# KiCad board FrontEnd_5G.kicad_pcb (continued)
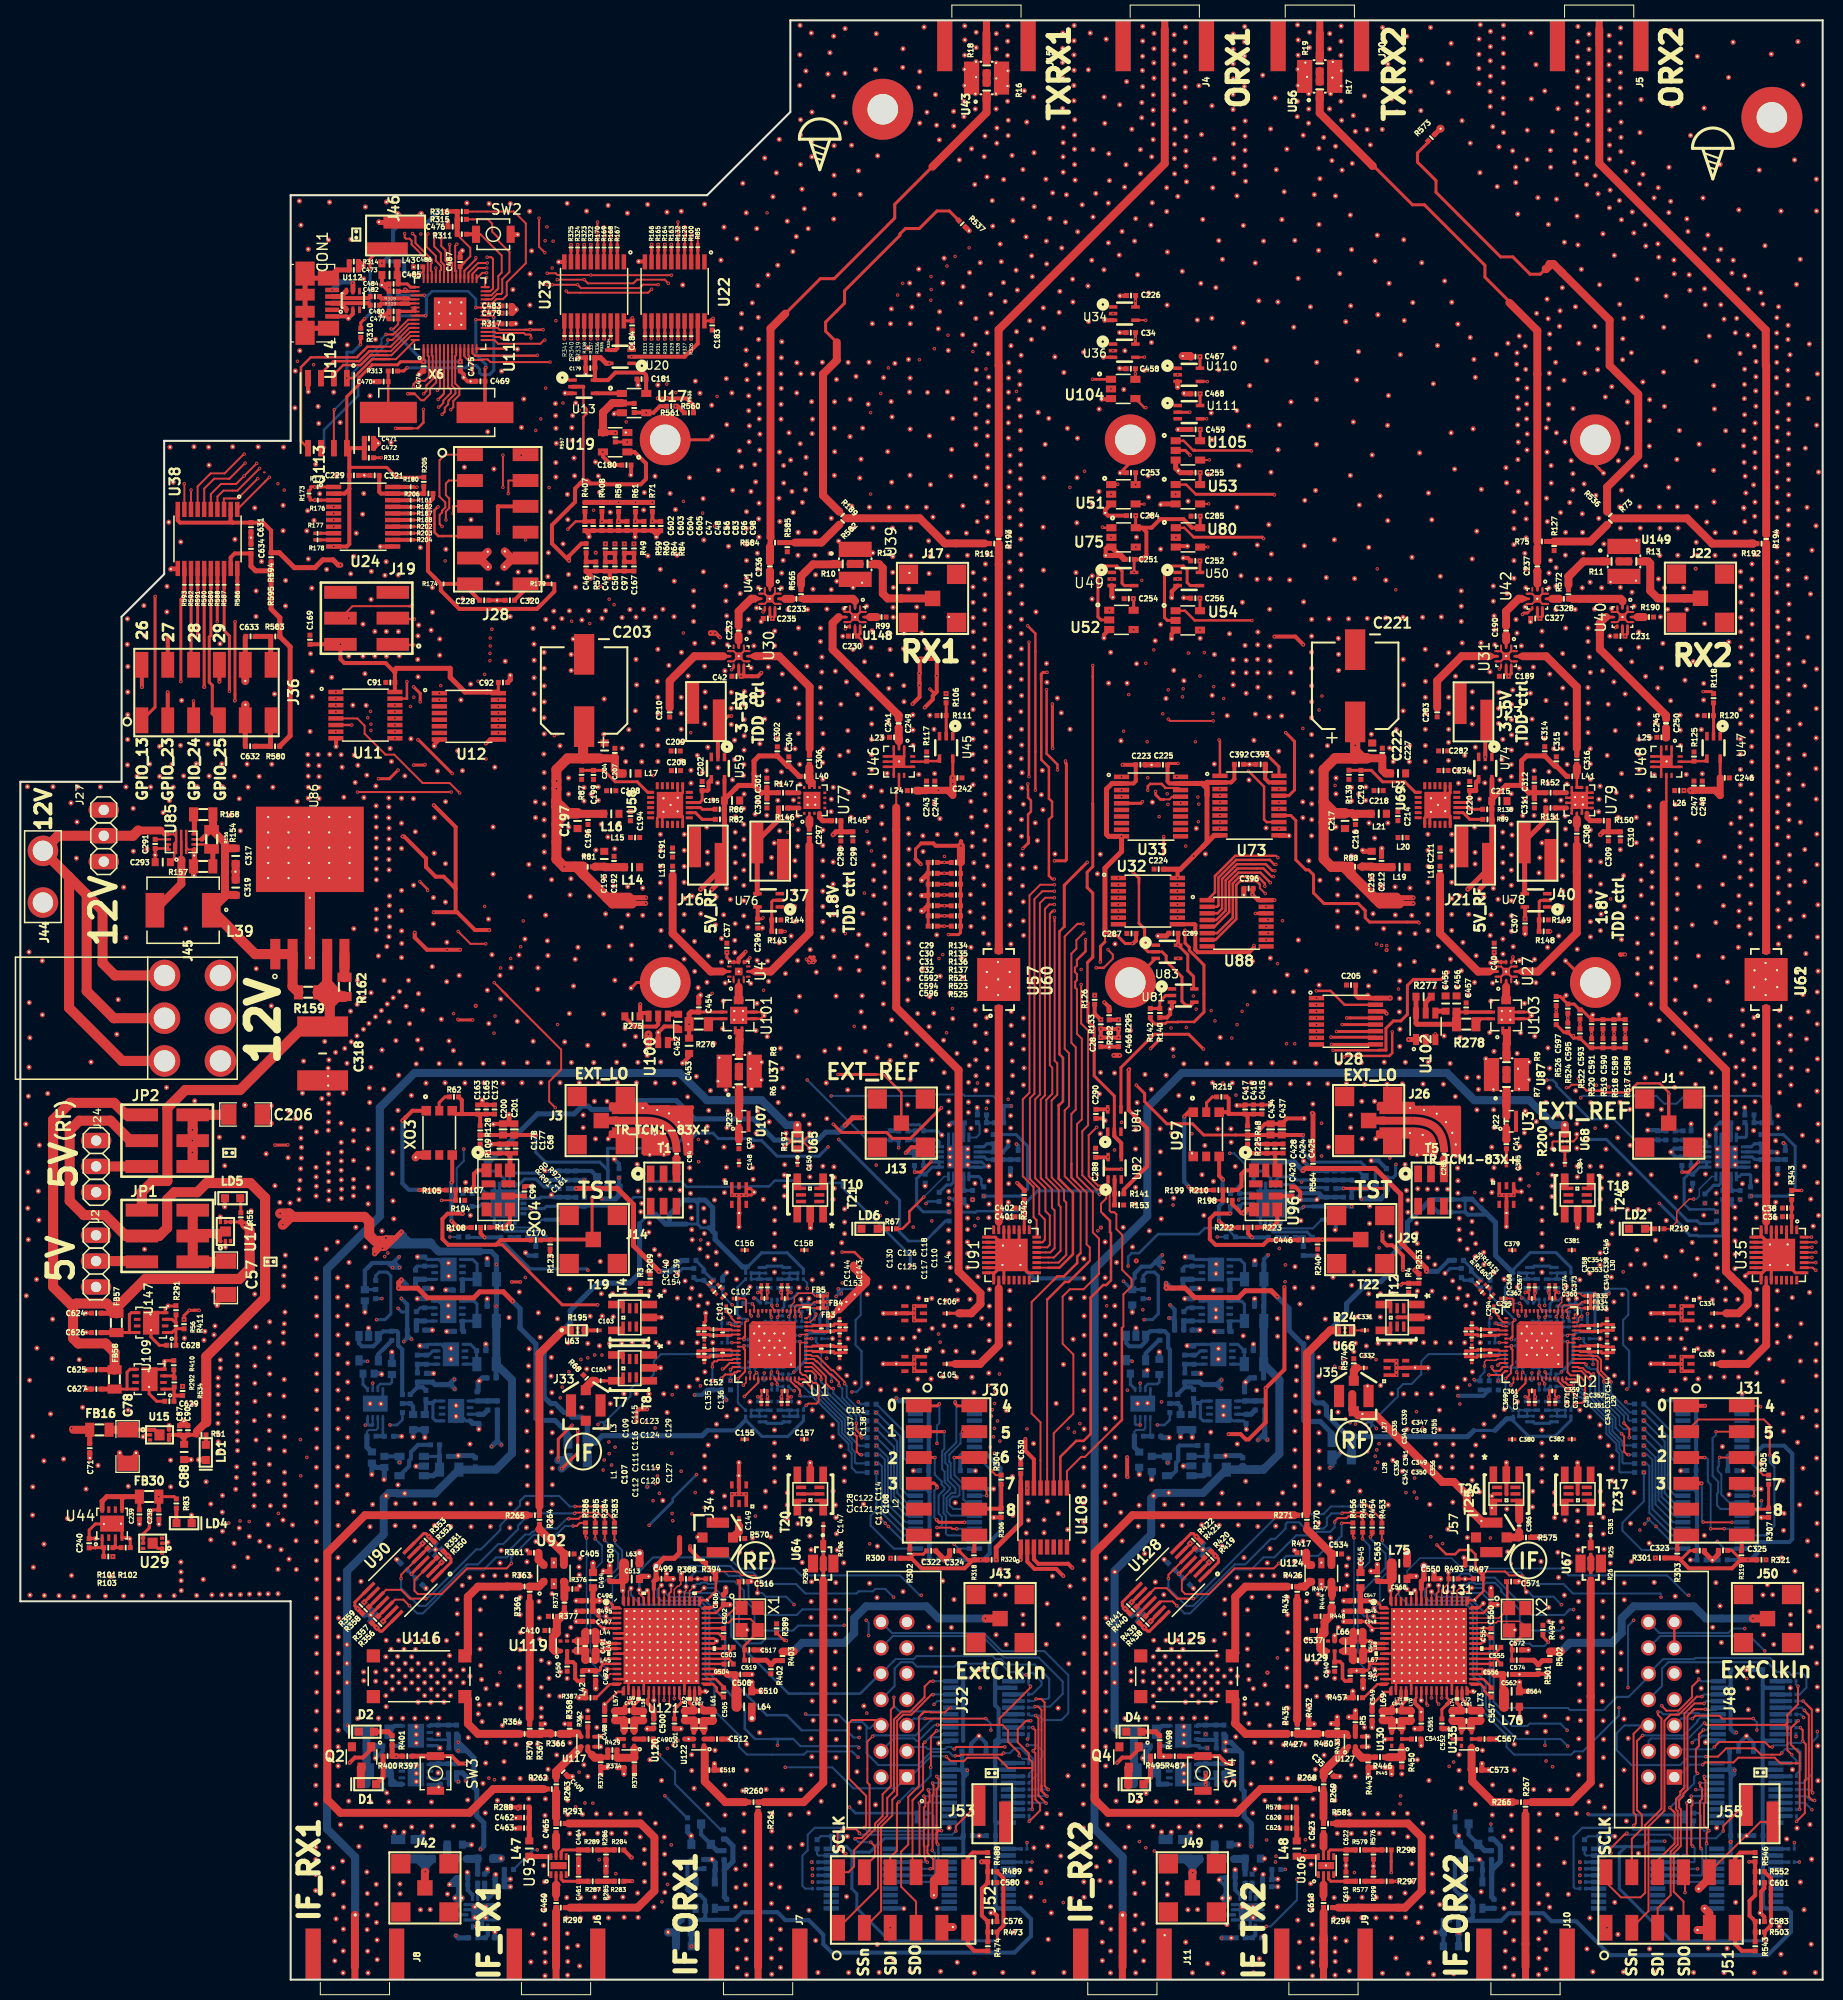
[diagram p0: board, top side]
## Routing (per net, layer and track width the routed paths; a pad name or vN(x,y) marks a point on that pad's centre or on a via; arc(x,y) is an arc through that point) (continued)
/RF/PA2_B_ON\off_3V3: length 29.8
  F.RO w0.2: v1(117.92,114.43) U73.7 ; U80.4 v1(116.73,140.81)
  B.FR4 w0.2: v1(117.92,114.43) 116.88,114.43 116.43,114.88 116.43,121.18 116.66,121.41 116.66,121.91 116.17,122.4 116.17,127.4 116.63,127.86 116.63,128.24 115.83,129.04 115.83,130.9 116.04,131.11 116.32,131.11 116.56,131.35 116.56,134.99 116.84,135.27 116.84,140.7 v1(116.73,140.81)
/RF/PA2_B_ON\off_5V: length 37.3
  F.RO w0.3: 132.01,105.27 131.51,105.77 128.16,105.77 127.12,106.81 127.12,108.6 126.64,109.08 126.37,109.08 125.38,110.07 125.38,113.93 124.89,114.43 U73.14 ; 132.01,105.27 132.2,105.08 ; 132.01,105.27 132.2,105.08 ; v1(150.42,103.03) 150.42,103.03 R148.2 ; v1(137.49,103.87) 137.41,103.95 132.63,103.95 132.2,104.38 132.2,105.08
  F.FR4 w0.25: v1(150.42,103.03) 150.42,102.68 149.89,102.15 147.31,102.15 147.14,102.32 146.52,102.32 145.8,103.04 145.26,103.04 144.43,103.87 v1(137.49,103.87)
  B.FR4 w0.3: v1(137.49,103.87) 137.49,103.88 ; v1(137.49,103.87) 137.49,103.88 ; v1(137.49,103.87) 137.49,103.88 ; v1(137.49,103.87) 137.82,103.87 137.83,103.88 137.49,103.88
/RF/PA2_CPL_D0_3V3: length 99.9
  F.RO w0.2: v2(176.07,72.98) U35.32 ; v1(123.62,110.29) 123.44,110.47 123.19,110.47
  F.RO w0.25: 123.19,110.47 119.43,110.47 117.43,108.47 117.43,106.87 U88.1
  F.RO w0.3: R518.1 v1(156.66,93) C589.2
  F.FR4 w0.2: 152.54,92.3 152.54,92.33 152.54,92.3 ; 152.54,92.3 153.24,91.6 153.93,91.6 155.6,89.93 157.43,89.93 v2(158.24,89.12) 158.49,89.12 161.35,86.26 161.46,86.26 ; v1(123.62,110.29) 124.29,110.29 125.51,109.07 127.61,109.07 129.34,107.34 129.65,107.34 129.65,107.42 130.75,106.31 ; v2(176.07,72.98) 174.6,72.98
  F.FR4 w0.25: 134.66,94.41 135.07,94.41 ; 134.66,94.41 133.91,94.41 133.54,94.78 133.54,95.41 134.05,95.92 134.05,97.15 134.82,97.92 134.82,99.76 133.93,100.65 133.53,100.65 132.6,101.58 132.6,101.89 132.39,102.1 132.39,104.16 132.4,104.16 132.31,104.25 132.31,105.37 131.97,105.71 ; 134.66,94.41 135.7,94.41 136.5,95.21 143.25,95.21 143.77,95.73 143.77,96.52 143.99,96.74 149.1,96.74 149.68,96.16 149.68,94.82 152.2,92.3 152.54,92.3 ; 161.46,86.26 162.99,84.73 162.99,80.09 162.43,79.53 162.43,79.06 163.25,78.24 165.01,78.24 166.12,77.13 166.12,75.07 168.02,73.17 171,73.17 171.19,72.98 174.6,72.98 ; 130.75,106.31 131.17,105.9
  F.FR4 w0.3: 131.97,105.71 131.36,105.71 131.17,105.9
  B.FR4 w0.2: 156.66,92.94 v1(156.66,93) 156.66,90.56 158.1,89.12 v2(158.24,89.12)
/RF/PA2_CPL_D1_3V3: length 100.3
  F.RO w0.2: v2(176.51,72.48) U35.31
  F.RO w0.25: v1(123.43,109.61) 123.27,109.61 122.82,110.06 119.51,110.06 117.78,108.33 117.78,105.59 117.65,105.46 U88.2
  F.RO w0.3: R519.1 v1(155.57,92.97) C590.2
  F.FR4 w0.2: v2(176.51,72.48) 174.91,72.48 174.08,71.65 171.37,71.65 170.97,72.05 169.1,72.05 ; 152.06,91.95 152.35,91.95 153.09,91.21 153.81,91.21 155.54,89.48 156.16,89.48 156.8,88.84 157.44,88.84 v2(158,88.28) 158.25,88.28 160.52,86.01 160.52,79.79 ; 131.96,103.57 129.57,105.96 128.7,105.96 126.5,108.16 125.45,108.16 124,109.61 v1(123.43,109.61)
  F.FR4 w0.25: 160.52,79.79 162.12,78.19 ; 169.11,72.05 168.04,72.05 167,73.09 166.08,73.09 165.59,73.58 165.59,74.09 165.12,74.56 164.61,74.56 164.31,74.86 ; 152.06,91.95 149.18,94.83 149.18,95.14 148.99,95.33 147.57,95.33 146.76,96.14 145.55,96.14 144.71,95.3 144.2,95.3 143.4,94.5 136.51,94.5 136.05,94.04 134.18,94.04 133.94,93.8 133.27,93.8 132.98,94.09 132.98,95.56 133.62,96.2 133.62,97.68 133.86,97.93 133.86,99.5 131.96,101.4 131.96,103.57
  F.FR4 w0.3: 164.31,74.86 164.31,74.87 163.48,75.7 163.48,77.3 163.16,77.62 162.69,77.62 162.12,78.19
  B.FR4 w0.2: v1(155.57,92.97) 155.57,90.4 157,88.97 157.31,88.97 v2(158,88.28)
/RF/PA2_CPL_D2_3V3: length 103.7
  F.RO w0.2: v2(176.11,71.98) U35.30 ; v1(123.32,109) 123.07,109 123.01,109.06
  F.RO w0.25: 123.01,109.06 122.43,109.64 119.59,109.64 118.13,108.18 118.13,105.26 117.68,104.81 U88.3
  F.RO w0.3: R520.1 v1(154.46,92.98) C591.2
  F.FR4 w0.2: 132.44,98.56 132.32,98.68 132.32,100.55 131.07,101.8 131.07,102.41 130.35,103.13 130.35,103.6 129.42,104.53 129.06,104.53 126.04,107.55 125.42,107.55 124.25,108.72 123.95,108.72 123.67,109 v1(123.32,109) ; 152.02,91.6 152.02,91.61 152.03,91.6 152.06,91.6 152.78,90.88 153.61,90.88 155.37,89.12 155.56,89.12 156.39,88.3 v2(156.7,88.3) 157.18,88.3 158.8,86.68 158.8,85.1 159.47,84.43 159.47,83.92 159.24,83.69 159.24,83.33 159.47,83.1 159.47,78.92 160.04,78.35 160.47,78.35 162.14,76.68 162.14,75.93 164.03,74.04 164.03,73.44 164.35,73.12 164.76,73.12 165.49,72.39 165.49,71.06 166,70.55 168.47,70.55 168.62,70.7 171.47,70.7 172.12,71.35 175.36,71.35 175.99,71.98 v2(176.11,71.98) ; 136.87,93.17 137.51,92.53 137.51,92.05 137.98,91.58 138.8,91.58 139.11,91.89 141.37,91.89 141.81,91.45 142.04,91.45 142.08,91.49 142.08,92.16
  F.FR4 w0.25: 142.08,92.16 143.57,93.64 ; 143.57,93.64 144.06,94.14 ; 143.57,93.64 144.06,94.14 ; 144.06,94.14 144.75,94.14 145.27,93.62 146.66,93.62 147.09,94.05 149.1,94.05 151.55,91.6 152.02,91.6 ; 136.87,93.17 136.23,93.17 135.61,92.55 134.63,92.55 134.27,92.91 132.81,92.91 132.41,93.31 132.41,95.62 133.14,96.35 133.14,98.17 132.75,98.56 132.44,98.56
  B.FR4 w0.2: v1(154.46,92.98) 154.46,90.29 156.45,88.3 v2(156.7,88.3)
/RF/PA2_CPL_D3_3V3: length 106.7
  F.RO w0.2: v2(176.5,71.49) 176.49,71.48 U35.29 ; v1(123.19,108.42) 122.99,108.42 122.78,108.64
  F.RO w0.25: 122.78,108.64 122.19,109.22 119.66,109.22 118.48,108.04 118.48,105.08 117.56,104.16 U88.4
  F.RO w0.3: R522.1 v1(153.31,93.93) C593.2
  F.FR4 w0.15: 133.43,91.81 134.03,91.21
  F.FR4 w0.2: 133.43,91.81 132.57,91.81 131.97,92.41 131.97,100.4 129.42,102.96 129.13,102.96 126.67,105.42 126.67,105.7 124.13,108.24 123.37,108.24 v1(123.19,108.42) ; v2(176.5,71.49) 175.93,71.49 175.1,70.66 174.62,70.66 174.23,71.05 173.61,71.05 172.91,70.35 ; 151.84,91.25 151.84,91.24 151.85,91.25 151.86,91.25 152.61,90.5 153.02,90.5 155.06,88.46 155.43,88.46 v2(156.14,87.75) 156.8,87.75 157.47,87.08 157.47,87.09 157.95,86.61 157.95,86.09 157.61,85.75 157.61,85.11 158.67,84.05 158.67,82.6 ; 134.03,91.21 138.88,91.21 139.23,91.56 141.28,91.56 141.76,91.08 142.32,91.08 142.41,91.17 142.41,91.99 143.57,93.15 143.57,93.15 ; 158.93,82.34 158.93,81.56 158.67,81.3 158.67,79.79 158.88,79.58 158.88,78.49 158.96,78.41 158.96,78.42 160.65,76.73 160.65,76.03 160.85,75.83 160.85,74.47 161.52,73.8 162.07,73.8 164.07,71.8 164.07,70.73 165.61,69.19 167.65,69.19 168.27,68.57 171.13,68.57 171.86,69.3
  F.FR4 w0.25: 151.84,91.25 151.41,91.25 149.3,93.37 148.25,93.37 148.01,93.61 147.19,93.61 146.85,93.27 145.13,93.27 144.62,93.78 144.2,93.78 143.57,93.15 ; 158.67,82.6 158.93,82.34 ; 172.91,70.35 172.91,69.61 172.6,69.3 171.86,69.3
  B.FR4 w0.2: v1(153.31,93.93) 153.31,90.46 156.02,87.75 v2(156.14,87.75)
/RF/PA2_CPL_D4_3V3: length 106.5
  F.RO w0.2: v2(176.12,70.98) U35.28 ; 122.87,107.83 v1(122.87,107.82)
  F.RO w0.25: 116.66,103.5 117.4,103.5 118.83,104.94 118.83,107.89 119.75,108.81 121.89,108.81 122.87,107.83
  F.RO w0.3: R524.1 v1(152.12,94.53) C595.2
  F.FR4 w0.2: 174.54,70.16 174.74,70.36 175.22,70.36 175.84,70.98 v2(176.12,70.98) ; 148.57,92.18 148.57,92.17 148.19,92.55 143.72,92.55 142.75,91.58 142.75,91.04 142.46,90.75 141.65,90.75 141.17,91.23 139.41,91.23 138.98,90.8 133.25,90.8 132.59,91.46 132.02,91.46 131.62,91.86 131.62,100.26 129.27,102.61 128.59,102.61 125.99,105.21 125.99,105.43 125.53,105.89 125.53,106.22 123.96,107.79 122.9,107.79 v1(122.87,107.82) ; 173.75,68.61 173.75,67.88 172.9,67.03 169.67,67.03 169.32,67.38 166.74,67.38 166.57,67.55 165.12,67.55 163.67,69 163.67,69.68 162.64,70.71 162.64,71.63 159.55,74.72 159.55,76.77 157.64,78.68 157.64,84.19 156.64,85.19 156.64,86.49 155.22,87.91 v2(154.93,87.91) 154.87,87.91 153.62,89.16 153.23,89.16 151.49,90.9
  F.FR4 w0.25: 149.28,91.46 149.29,91.46 ; 149.28,91.46 148.57,92.18 ; 149.28,91.46 149.85,90.9 151.49,90.9 ; 174.54,70.16 174.54,69.46 174.25,69.18 174.25,69.12 173.75,68.61
  B.FR4 w0.2: v1(152.12,94.53) 152.12,90.99 153.89,89.22 153.89,88.6 154.58,87.91 v2(154.93,87.91)
/RF/PA2_CPL_D5_3V3: length 113.6
  F.RO w0.2: v2(176.5,70.48) U35.27 ; 122.34,107.73 v1(122.34,107.47)
  F.RO w0.25: U88.6 117.65,102.86 119.18,104.39 119.18,107.75 119.82,108.39 121.68,108.39 122.34,107.73
  F.RO w0.3: C597.2 v1(150.98,95.26) R526.1
  F.FR4 w0.15: 139.59,90.69 138.61,89.7 138.61,89.67 133.33,89.67 131.89,91.11
  F.FR4 w0.2: 131.89,91.11 131.53,91.11 131.27,91.37 131.27,100.11 129.13,102.26 128.07,102.26 125.44,104.89 125.44,105.1 124.74,105.8 124.74,106.4 123.83,107.31 122.5,107.31 v1(122.34,107.47) ; v2(176.5,70.48) 176.13,70.48 175.11,69.46 175.11,66.76 173.6,65.25 171.76,65.25 171.39,65.62 169.13,65.62 168.78,65.27 165.25,65.27 164.4,66.12 164.4,67.33 163.96,67.77 163.56,67.77 163.24,67.45 161.16,67.45 160.71,67.89 160.71,70.9 158.5,73.11 158.5,76.63 156.46,78.67 156.46,79.52 156.67,79.73 156.67,82.08 156.45,82.3 156.45,83.14 156.67,83.36 156.67,84.1 155.56,85.21 155.56,86.77 155.15,87.18 154.89,87.18 153.51,88.56 v2(153.15,88.56) 152,89.71 151.94,89.71 151.1,90.55 ; 148.49,91.76 148.49,91.79 148.4,91.88 148.4,91.87 148.11,92.16 143.91,92.16 143.08,91.33 143.08,90.89 142.61,90.42 141.48,90.42 141,90.9 139.81,90.9 139.59,90.69
  F.FR4 w0.25: 151.1,90.55 149.7,90.55 148.49,91.76
  B.FR4 w0.2: v1(150.98,95.26) 150.98,91.19 153.15,89.02 v2(153.15,88.56)
/RF/PA2_CPL_D6_3V3: length 123.9
  F.RO w0.2: v2(176.5,69.72) 176.45,69.72 176.19,69.98 U35.26 ; 121.85,107.64 121.85,107.28 v1(122.38,106.75)
  F.RO w0.25: 121.85,107.64 121.51,107.98 119.91,107.98 119.53,107.6 119.53,104.25 117.49,102.21 U88.7
  F.RO w0.3: C588.2 v1(157.76,92.99) R517.1
  F.FR4 w0.2: 148.28,91.48 147.98,91.78 144.03,91.78 143.43,91.18 143.43,90.71 142.79,90.07 141.38,90.07 140.87,90.59 140.16,90.59 138.94,89.37 131.74,89.37 130.92,90.19 130.92,99.59 128.78,101.74 127.67,101.74 124.78,104.62 124.72,104.62 124.72,104.85 123.95,105.62 123.95,106.3 123.5,106.75 v1(122.38,106.75) ; v2(176.5,69.72) 176.5,64.09 174.27,61.86 170.44,61.86 169.22,63.08 163.95,63.08 163.5,63.53 162.23,63.53 160.9,64.86 160.9,66.06 159.57,67.39 159.57,67.52 158.95,68.14 158.95,70.84 158,71.79 158,72.25 157.34,72.91 157.34,75.93 155.98,77.29 155.98,80.43
  F.FR4 w0.25: 148.28,91.48 149.56,90.2 150.72,90.2 151.44,89.48 151.44,89.45 152.88,88.01 153.52,88.01 154.98,86.55 154.98,83.87 v2(154.8,83.69) 154.92,83.57 154.92,81.5 155.98,80.44 155.98,80.43
  B.FR4 w0.2: 158.59,92.16 v1(157.76,92.99)
  B.FR4 w0.25: v2(154.8,83.69) 155.26,83.23 156.24,83.23 156.92,83.91 157.45,83.91 159.09,85.55 159.09,91.66 158.59,92.16
/RF/PA2_CPL_OUT: length 15.3
  F.RO w0.5: 170.15,141.16 170.7,141.16 R192.2
  F.RO w0.79: 156.62,143.63 163.84,143.63 166.32,141.15 170.34,141.15 170.35,141.16
/RF/RX_ISOL_1_1V8: length 42
  F.RO w0.25: v1(81.1,132.77) 81.33,133 U39.7 ; v1(99.15,131.46) v1(99.15,118.25)
  F.FR4 w0.25: v1(99.15,131.46) 98.03,131.46 97.44,130.87 94.67,130.87 93.81,131.73 91.54,131.73 91.45,131.64 84.81,131.64 84.49,131.96 81.91,131.96 v1(81.1,132.77) ; v1(99.15,118.25) 99.17,118.23 106.62,118.23 106.62,118.23 v1(108.25,118.23)
  B.FR4 w0.25: 108.25,118.22 v1(108.25,118.23)
/RF/RX_ISOL_1_3V3: length 50.4
  F.RO w0.2: v1(110.5,159.48) 110.48,159.46 U36.4
  F.RO w0.25: v1(113.69,118.24) 113.71,118.23 U33.20
  F.FR4 w0.2: v1(110.82,118.14) 110.83,118.13 112.46,118.13 ; 112.46,118.13 113.58,118.13 v1(113.69,118.24) ; 112.46,118.13 113.28,118.13
  B.FR4 w0.2: 111.21,158.77 v1(110.5,159.48) ; v1(110.82,118.14) 110.83,118.13 110.59,118.37 110.59,120.06 111.37,120.84 111.37,122.53 111.15,122.75 111.15,128.36 111.61,128.82 111.61,129.74 112.24,130.37 112.24,131.87 111.62,132.49 111.62,132.64 111.61,132.64 111.37,132.88 111.37,133.51 111.62,133.76 111.62,139.15
  B.FR4 w0.25: 111.56,156.52 111.56,158.42 111.21,158.77 ; 111.62,146.13 111.62,145.33 111.39,145.1 111.39,144.72 111.43,144.72 111.62,144.53 111.62,141.47 111.34,141.19 111.34,139.42 111.61,139.15 111.62,139.15
  B.FR4 w0.3: 111.62,146.13 113.06,147.57 113.06,149.57 113.29,149.8 113.29,151.53 112.98,151.84 112.98,153.24 113.29,153.55 113.29,154.79 111.56,156.52
/RF/RX_ISOL_2_1V8: length 66.6
  F.RO w0.25: v1(156.76,132.89) 156.87,133 U40.7
  F.FR4 w0.2: 114.69,116.27 114.28,116.27 114.2,116.19 113.64,116.19 113.67,116.19 113.47,115.99 112.23,115.99 111.95,116.27 108.25,116.27 v1(108.25,116.28)
  F.FR4 w0.25: 156.41,132.86 156.48,132.86 ; 156.73,132.86 v1(156.76,132.89) ; v1(108.25,116.28) 109.97,116.28
  F.FR4 w0.3: 114.69,116.27 114.69,116.26 114.7,116.27 115.72,116.27 v1(115.75,116.24) ; v1(115.96,128.14) 115.96,128.15 116.24,127.87 126.15,127.87 126.27,127.99 134.74,127.99 135.33,128.58 139.09,128.58 140.3,127.37 148.15,127.37 150.73,129.95 150.73,130.41 152.54,132.22 155.39,132.22 156.03,132.86 156.73,132.86
  B.FR4 w0.2: v1(115.75,116.24) 116.1,116.59 116.1,121.31 116.31,121.52 116.31,121.76 115.8,122.27 115.8,127.98 v1(115.96,128.14)
  B.FR4 w0.25: 108.25,116.27 v1(108.25,116.28)
/RF/RX_ISOL_2_3V3: length 50.5
  F.RO w0.2: 111.96,116.11 112.06,116.01 112.96,116.01 113.22,116.28 U33.17 ; U111.4 v1(116.61,153.42)
  F.RO w0.25: v1(111.59,116.79) 111.59,116.48 111.65,116.42 ; 111.65,116.42 111.96,116.11 ; 111.65,116.42 112.07,116 112.4,116 112.4,116.01
  F.FR4 w0.2: v1(112.3,124.42) 112.34,124.46 v1(117.23,124.46)
  B.FR4 w0.2: v1(112.3,124.42) 112.27,124.39 112.27,117.86 111.84,117.43 111.84,117.42 111.59,117.17 v1(111.59,116.79) ; v1(116.61,153.42) 118.65,153.42 119.06,153.01 119.06,143.53 118.8,143.27 118.8,133.02 118.23,132.45 118.23,126.76 118.94,126.05 118.94,125.45 118.22,125.45 v1(117.23,124.46)
/RF/TX\rx_1: length 96
  F.RO w0.3: v1(112.35,110.63) 112.39,110.67 v1(112.39,112.35) ; v1(107.22,145.99) U51.2 ; v1(107.22,141.76) U75.2
  F.RO w0.4: R126.1 105.61,94.95 v1(106.21,94.35)
  F.FR4 w0.25: v1(110.24,137.54) 110.13,137.65 107.31,137.65 v1(107.29,137.67)
  F.FR4 w0.3: v1(106.21,94.35) 106.94,95.08 110.29,95.08 110.57,94.8 112.32,94.8 112.34,94.78 116.85,94.78 117.06,94.99 v1(117.06,95.25)
  B.FR4 w0.2: 109.63,127.49 109.63,122.87 ; 109.63,122.87 109.63,121.08 ; 109.63,122.87 109.63,121.08 ; 107.42,160.11 v1(107.41,160.11) ; 107.42,160.11 107.4,160.11 107.42,160.11 ; v1(107.21,156.35) 107.22,156.34 107.42,156.34 ; 109.63,121.08 109.63,115.36
  B.FR4 w0.25: 109.63,127.49 109.18,127.94 109.18,130.49 110.03,131.34 110.03,137.33 v1(110.24,137.54) ; 114.99,99.18 114.99,101.83 112.35,104.47 v1(112.35,110.63) ; 107.39,156.53 107.39,156.6 107.42,156.6 ; v1(107.41,160.11) 107.21,159.91 v1(107.21,156.35) 107.2,156.34 107.2,153.99
  B.FR4 w0.3: 109.63,115.36 111.32,113.67 111.32,113.69 112.39,112.62 v1(112.39,112.35) ; 114.99,99.18 116.9,97.27 116.9,95.41 v1(117.06,95.25) ; 107.42,156.6 v1(107.42,163.76) ; 107.42,156.34 107.39,156.37 107.39,156.53 v1(107.21,156.35) ; 107.2,153.99 106.01,152.8 106.01,149.47 106.31,149.17 106.31,146.9 v1(107.22,145.99) v1(107.22,141.76) 107.22,140.77 107.21,140.77 107.39,140.59 107.39,139.42 107.22,139.25 107.22,137.74 v1(107.29,137.67)
/RF/TX\rx_2: length 86.1
  F.RO w0.3: 113.76,154.07 U111.2 113.78,154.06 v1(114.96,154.06) ; 113.56,150.31 U105.2 114.52,150.31 v1(114.98,149.85) ; v1(113.59,141.75) U80.2
  F.RO w0.4: R282.1 107.04,94.35 v1(107.95,94.35)
  F.FR4 w0.25: v1(112.84,126.78) 111.5,126.78 111.03,126.31 v1(108.96,126.31)
  F.FR4 w0.3: v1(107.95,94.35) 108.08,94.22 117.41,94.22 v1(117.43,94.24)
  B.FR4 w0.25: 113.95,109.9 108.97,114.88 108.97,126.31 v1(108.96,126.31) ; 115.71,99.3 115.4,99.61 115.4,102.22 115.1,102.52 ; v1(113.76,157.74) 114.97,156.53 114.97,153.49 115.17,153.29 115.17,151.34 114.97,151.14 114.97,147.4 v1(113.57,146) ; v1(112.84,126.78) 112.67,126.95 112.67,128.77 113.76,129.86 v1(113.76,137.67)
  B.FR4 w0.3: 115.71,99.3 117.77,97.24 117.77,94.58 v1(117.43,94.24) ; v1(114.96,154.06) 114.97,154.06 ; v1(114.96,154.06) 114.97,154.06 ; v1(114.96,154.06) 114.97,154.06 ; v1(114.98,149.85) 114.97,149.85 ; v1(114.98,149.85) 114.97,149.85 ; v1(114.98,149.85) 114.97,149.85 ; 113.95,109.9 115.1,108.75 115.1,102.52 ; v1(113.57,146) 113.57,141.77 v1(113.59,141.75) 113.59,137.84 v1(113.76,137.67)
/RF/tx_RX_1_1V8: length 53.1
  F.RO w0.25: v1(73.01,134.44) 73.18,134.61 U41.7 ; 98.99,133.07 v1(99.02,133.07) 99.78,132.31 v1(99.78,116.91)
  F.FR4 w0.25: 98.99,133.07 98.1,133.07 97.38,133.79 94.49,133.79 93.77,133.07 84.86,133.07 84.36,133.57 83.33,133.57 82.83,133.07 81.78,133.07 80.95,133.9 74.96,133.9 74.42,134.44 v1(73.01,134.44) ; v1(108.25,116.93) 107.08,116.93 107.05,116.9 101.09,116.9 100.88,117.11 99.98,117.11 v1(99.78,116.91)
  B.FR4 w0.25: v1(108.25,116.93) 108.25,116.92
/RF/tx_RX_1_3V3: length 56.4
  F.RO w0.2: v1(110.62,163.1) 110.61,163.11 U34.4 ; 112.55,117.13 113.84,117.13 U33.18
  F.RO w0.25: v1(110.83,116.9) 110.83,117.3 111.06,117.53 112.18,117.53 112.55,117.16 112.55,117.13
  B.FR4 w0.2: 111.35,117.52 111.34,117.52 110.83,117.01 v1(110.83,116.9)
  B.FR4 w0.25: v1(110.62,163.1) 112.58,161.14 112.58,156.87 ; 113.05,146.36 112.58,145.89 112.58,145.63 112.9,145.31 112.9,143.91 112.58,143.59 112.58,141.26 112.94,140.9 112.94,139.88 112.58,139.52 112.58,134.03 112.55,134.03 112.95,133.63 112.95,132.98 112.58,132.61 112.58,129.64 112.07,129.13 ; 112.07,128.82 112.07,125.2 111.79,124.92 111.79,120.58 111.93,120.44 111.93,118.26 111.36,117.69 111.35,117.69 111.35,117.52 ; 112.07,128.82 112.07,129.13 ; 112.07,128.82 112.07,129.13
  B.FR4 w0.3: 113.05,146.36 114.59,147.9 114.59,148.75 ; 114.59,148.75 114.34,149 ; 114.59,148.75 114.34,149 ; 114.34,149 114.34,149.46 114.09,149.71 114.09,151.28 114.43,151.62 114.43,153.14 114.09,153.48 114.09,155.36 112.58,156.87
/RF/tx_RX_2_1V8: length 60.3
  F.RO w0.25: 109.44,115.62 109.45,115.62 109.44,115.62 ; 109.44,115.62 U33.5 ; 148.16,134.33 147.81,134.33 ; 148.16,134.33 147.81,134.33 ; 148.16,134.33 148.62,134.8 ; 147.81,134.33 v1(147.66,134.18) 147.81,134.33
  F.RO w0.3: v1(110.3,115.78) 110.15,115.62 U33.5
  F.FR4 w0.25: 145.8,134.52 147.32,134.52 v1(147.66,134.18)
  F.FR4 w0.3: 145.8,134.52 145.51,134.81 143.52,134.81 142.54,135.79 127.59,135.79 124.89,133.09 124.89,131.73 123.54,130.38 118.63,130.38 117.86,129.61 113.26,129.61 113.04,129.39 v1(110.63,129.39)
  B.FR4 w0.2: v1(110.63,129.39) 110.28,129.04 110.28,127.59
  B.FR4 w0.25: 110.13,121.36 110.07,121.42 110.07,121.94 110.28,122.15 110.28,122.95
  B.FR4 w0.3: 110.28,122.95 110.28,127.59 ; 110.13,121.36 110.13,117.83 110.02,117.72 110.02,116.72 110.3,116.44 v1(110.3,115.78)
/RF/tx_RX_2_3V3: length 56.7
  F.RO w0.2: v1(116.68,157.08) 116.67,157.09 U110.4 ; v1(117.26,123.72) 113.03,123.72 v1(112.85,123.9) ; v1(114.06,115.65) U33.16
  B.FR4 w0.2: 112.75,119.93 112.74,119.94 112.74,120.57 ; 112.74,120.57 112.74,122.01 112.85,122.12 v1(112.85,123.9) ; 112.74,120.57 112.74,117.63 112.19,117.08 112.19,115.11 112.42,114.88 112.59,114.88 ; U33.16 114.05,115.62 114.04,115.62 ; U33.16 114.05,115.62 U33.16 ; v1(116.68,157.08) 119.87,157.08 120.22,156.73 120.22,152.34 120.33,152.23 120.33,144.13 120.06,143.86 120.06,139.55 119.31,138.8 119.31,137.67 119.47,137.51 119.47,131.9 118.58,131.01 118.58,126.94 119.34,126.18 119.34,125.21 119.05,124.92 118.46,124.92 118.24,124.7 118.26,124.72 v1(117.26,123.72) ; 114.05,115.65 v1(114.06,115.65)
  B.FR4 w0.25: 112.59,114.88 113.72,114.88 114.05,115.21 114.05,115.65
/RP2040_MCU/DATA: length 39.7
  F.RO w0.2: v1(44.49,157.94) 44.49,158.72 43.65,159.56 U115.11
  F.RO w0.3: v1(36.82,125.27) U11.14
  B.FR4 w0.2: 39.47,147.94 39.47,149.97 43.13,153.63 43.13,153.62 44.92,155.41 44.92,157.51 v1(44.49,157.94)
  B.FR4 w0.25: 38.25,133.09 38.26,133.09 37.93,133.42 37.93,134.54 37.75,134.72 37.75,135.64 38.25,136.14 38.25,136.64 ; 38.25,129.96 38.25,130.68 37.82,131.11 37.82,131.54 38.25,131.97 38.25,132.3
  B.FR4 w0.3: 39.47,147.94 38.25,146.72 38.25,136.64 ; v1(36.82,125.27) 36.82,127.56 38.25,128.99 38.25,129.96 ; 38.25,133.09 38.25,132.3
/RP2040_MCU/GPIO_SEL_A_LMS8001: length 53.5
  F.RO w0.4: v1(60.09,159.52) 65.3,159.52 66.59,160.81 U22.19
  F.FR4 w0.25: 59.53,153.11 59.05,152.63 57,152.63 56.24,151.87 51.07,151.87 v1(50.67,152.27)
  F.FR4 w0.4: v1(59.56,153.11) 59.53,153.11
  B.FR4 w0.4: v1(46.99,125.8) 46.99,125.8 46.99,133.97 48.28,135.26 48.28,142.68 50.73,145.13 50.73,152.21 v1(50.67,152.27) ; v1(60.09,159.52) 60.1,159.53 60.1,153.65 v1(59.56,153.11)
/RP2040_MCU/GPIO_SEL_B_LMS8001: length 3.6
  F.RO w0.4: U20.4 58.5,160.17 58.68,160.35 U23.19
/RP2040_MCU/MCU_GPIO0: length 29.4
  F.RO w0.2: v1(38.65,156.56) 38.65,156.83 38.98,157.16 39.77,157.16 40.16,157.55 40.16,159.52 40.04,159.63 U115.2 ; 39.06,152.48 38.48,152.48
  F.RO w0.25: 39.06,152.48 39.62,153.04 v1(39.62,154.35)
  F.RO w0.3: v1(36.88,152.48) 38.48,152.48
  F.FR4 w0.25: v1(39.62,154.35) 38.77,155.2 38.77,156.44 v1(38.65,156.56)
  B.FR4 w0.3: 34.54,149.33 34.54,149.46 35.84,150.76 35.84,151.9 36.42,152.48 v1(36.88,152.48) ; 34.54,149.33 34.54,148.91 34.55,148.91 34.55,145.83 33.48,144.76 ; 34.54,149.33 34.54,145.82 33.48,144.76 ; 33.48,144.76 32.18,143.47 v1(30.8,143.47)
/RP2040_MCU/MCU_GPIO1: length 23
  F.RO w0.2: v1(39.65,155.88) 39.91,156.15 39.91,156.69 40.54,157.32 40.54,158.07 40.53,158.06 40.53,159.59 40.45,159.68 U115.3
  B.FR4 w0.2: 35.2,148.57 37.11,150.48 37.11,151.68 37.6,152.17 ; v1(39.65,155.88) 39.65,155.34
  B.FR4 w0.25: 37.6,152.17 37.6,153.29 39.65,155.34
  B.FR4 w0.3: v1(30.8,142.81) 33.26,142.81 35.2,144.75 35.2,148.57
/RP2040_MCU/MCU_GPIO2: length 22.2
  F.RO w0.2: 40.88,160.28 U115.4 40.88,160.28 ; 40.88,160.28 40.88,157 40.28,156.4 40.28,155.85 39.67,155.24 39.39,155.24 38.75,155.88
  F.RO w0.3: 38.75,155.88 v1(38.08,155.88)
  B.FR4 w0.3: v1(30.8,144.77) 32.3,146.27 32.3,151.14 34.12,152.96 35.16,152.96 v1(38.08,155.88)
/RP2040_MCU/MCU_GPIO3: length 23.5
  F.RO w0.2: U115.5 41.24,156.46 v1(41,156.21)
  F.RO w0.3: U24.5 v1(30.8,144.11)
  F.FR4 w0.2: v1(39.29,156.68) 40.31,156.68 40.78,156.21 v1(41,156.21)
  B.FR4 w0.25: v1(39.29,156.68) 39.32,156.66 39.32,156.25
  B.FR4 w0.3: v1(30.8,144.11) 31.94,144.11 33.07,145.24 33.07,151.01 34.29,152.23 35.29,152.23 39.32,156.25
/RP2040_MCU/MCU_GPIO9: length 37.7
  F.RO w0.2: v1(58.68,171.35) 58.68,170.53 ; v1(52.07,158.99) 46.21,158.99 45.95,159.25 45.47,159.25 45.42,159.2 44.47,159.2 44.04,159.62 U115.12 ; R85.2 v1(66.59,171.35)
  F.FR4 w0.2: v1(66.59,171.35) v1(58.68,171.35) 52.85,171.35 v1(52.37,170.87)
  B.FR4 w0.2: v1(52.07,158.99) 52.07,162.42 51.5,162.99 51.5,165.61 51.3,165.81 51.3,168.66 52.37,169.73 v1(52.37,170.87)
/RP2040_MCU/MCU_GPIO10: length 36.1
  F.RO w0.2: v1(65.96,171.82) 65.96,170.56 R100.2 ; 44.68,159.62 44.45,159.86 U115.13 ; 58.03,170.53 v1(58.03,171.81)
  F.RO w0.25: 44.68,159.62 50.79,159.62 v1(50.83,159.66)
  F.FR4 w0.2: v1(65.96,171.82) 65.95,171.81 v1(58.03,171.81) 52.07,171.81 51.61,171.35
  F.FR4 w0.25: 51.61,171.35 51.61,170.94 v1(51.59,170.92)
  B.FR4 w0.2: 65.95,171.81 v1(65.96,171.82)
  B.FR4 w0.3: v1(50.83,159.66) 50.83,169.89 51.57,170.63 51.57,170.9 v1(51.59,170.92)
/RP2040_MCU/MCU_GPIO11: length 36.8
  F.RO w0.2: v1(65.33,172.29) 65.33,170.59 R129.2 ; v1(57.38,172.29) 57.38,170.53 ; v1(51.76,172.28) 51.83,172.28 ; 47.71,160.32 U115.14 44.85,160.31 v1(47.71,160.31)
  F.RO w0.3: v1(47.71,160.31) 47.71,160.32 ; v1(47.71,160.31) 47.71,160.32 ; v1(47.71,160.31) 47.71,160.32
  F.FR4 w0.2: v1(51.76,172.28) 51.77,172.29 v1(57.38,172.29) v1(65.33,172.29)
  F.FR4 w0.3: 65.34,172.28 v1(65.33,172.29)
  B.FR4 w0.3: v1(51.76,172.28) 51.42,172.28 49.3,170.16 49.3,161.9 v1(47.71,160.31)
/RP2040_MCU/MCU_GPIO13: length 41.2
  F.RO w0.2: v1(24.48,147.67) 24.07,147.26 24.07,147.26 U38.1 ; v1(47.85,161.32) 47.27,161.32 47.13,161.46 46.67,161.46 46.57,161.56 U115.16
  F.FR4 w0.2: v1(24.48,147.67) 29.9,147.67 31.18,148.95 31.18,151.64 32.19,152.65 32.19,156.39 31.55,157.03 31.55,157.69 31.95,158.09 36.65,158.09 38.05,159.49 45.92,159.49 46.92,160.49 47.08,160.49 47.85,161.26 v1(47.85,161.32)
/RP2040_MCU/MCU_GPIO13_EXT: length 21.7
  F.RO w0.3: v1(13.26,135.96) 13.24,135.94 13.24,125.07 J36.1
  F.RO w0.4: v1(21.36,135.95) 21.34,135.97 R586.2 ; J36.1 11.94,123.78
  F.FR4 w0.3: v1(21.36,135.95) 13.27,135.95 v1(13.26,135.96)
/RP2040_MCU/MCU_GPIO16: length 32.2
  F.RO w0.2: v1(64.64,172.76) 64.64,170.56 R132.2 ; v1(56.73,172.76) 56.73,170.53 ; v1(51.56,169.75) 50.99,170.32 v1(50.99,173.13) ; U115.27 46.2,165.96 46.46,166.22 46.46,169.14 46.3,169.3 v1(45.88,169.3)
  F.FR4 w0.2: 54.69,172.76 v1(56.73,172.76) v1(64.64,172.76) ; v1(51.56,169.75) 51.11,169.3 v1(45.88,169.3)
  F.FR4 w0.25: 54.69,172.76 54.32,173.13 v1(50.99,173.13)
/RP2040_MCU/MCU_GPIO17: length 27
  F.RO w0.2: v1(64.01,167.53) 56.09,167.53 v1(56.07,167.55) 52.8,167.55 52.63,167.72 v1(51.79,167.72) ; 56.08,170.53 v1(56.08,170.52) ; v1(45.83,167.29) 45.68,167.14 U115.28 46.02,166.36
  F.FR4 w0.2: v1(45.83,167.29) 47.38,167.29 47.87,166.8 48.74,166.8 48.94,166.6 v1(51.76,166.6)
  B.FR4 w0.2: v1(64,170.56) 64,167.54 v1(64.01,167.53) ; v1(56.07,167.55) 56.07,170.51 v1(56.08,170.52) ; v1(51.79,167.72) 51.76,167.69 v1(51.76,166.6)
/RP2040_MCU/MCU_GPIO18: length 27.3
  F.RO w0.2: v1(63.36,170.55) 63.35,170.55 R164.2 ; v1(52.78,167.09) v1(55.43,167.09) 55.79,166.73 60.26,166.73 60.62,167.09 63.34,167.09 v1(63.7,166.73) ; v1(45.83,167.76) 45.41,167.76 U115.29 44.85,167.29